# Altium PCB pqm_v2.PcbDoc (part 1 of 3) (continued)
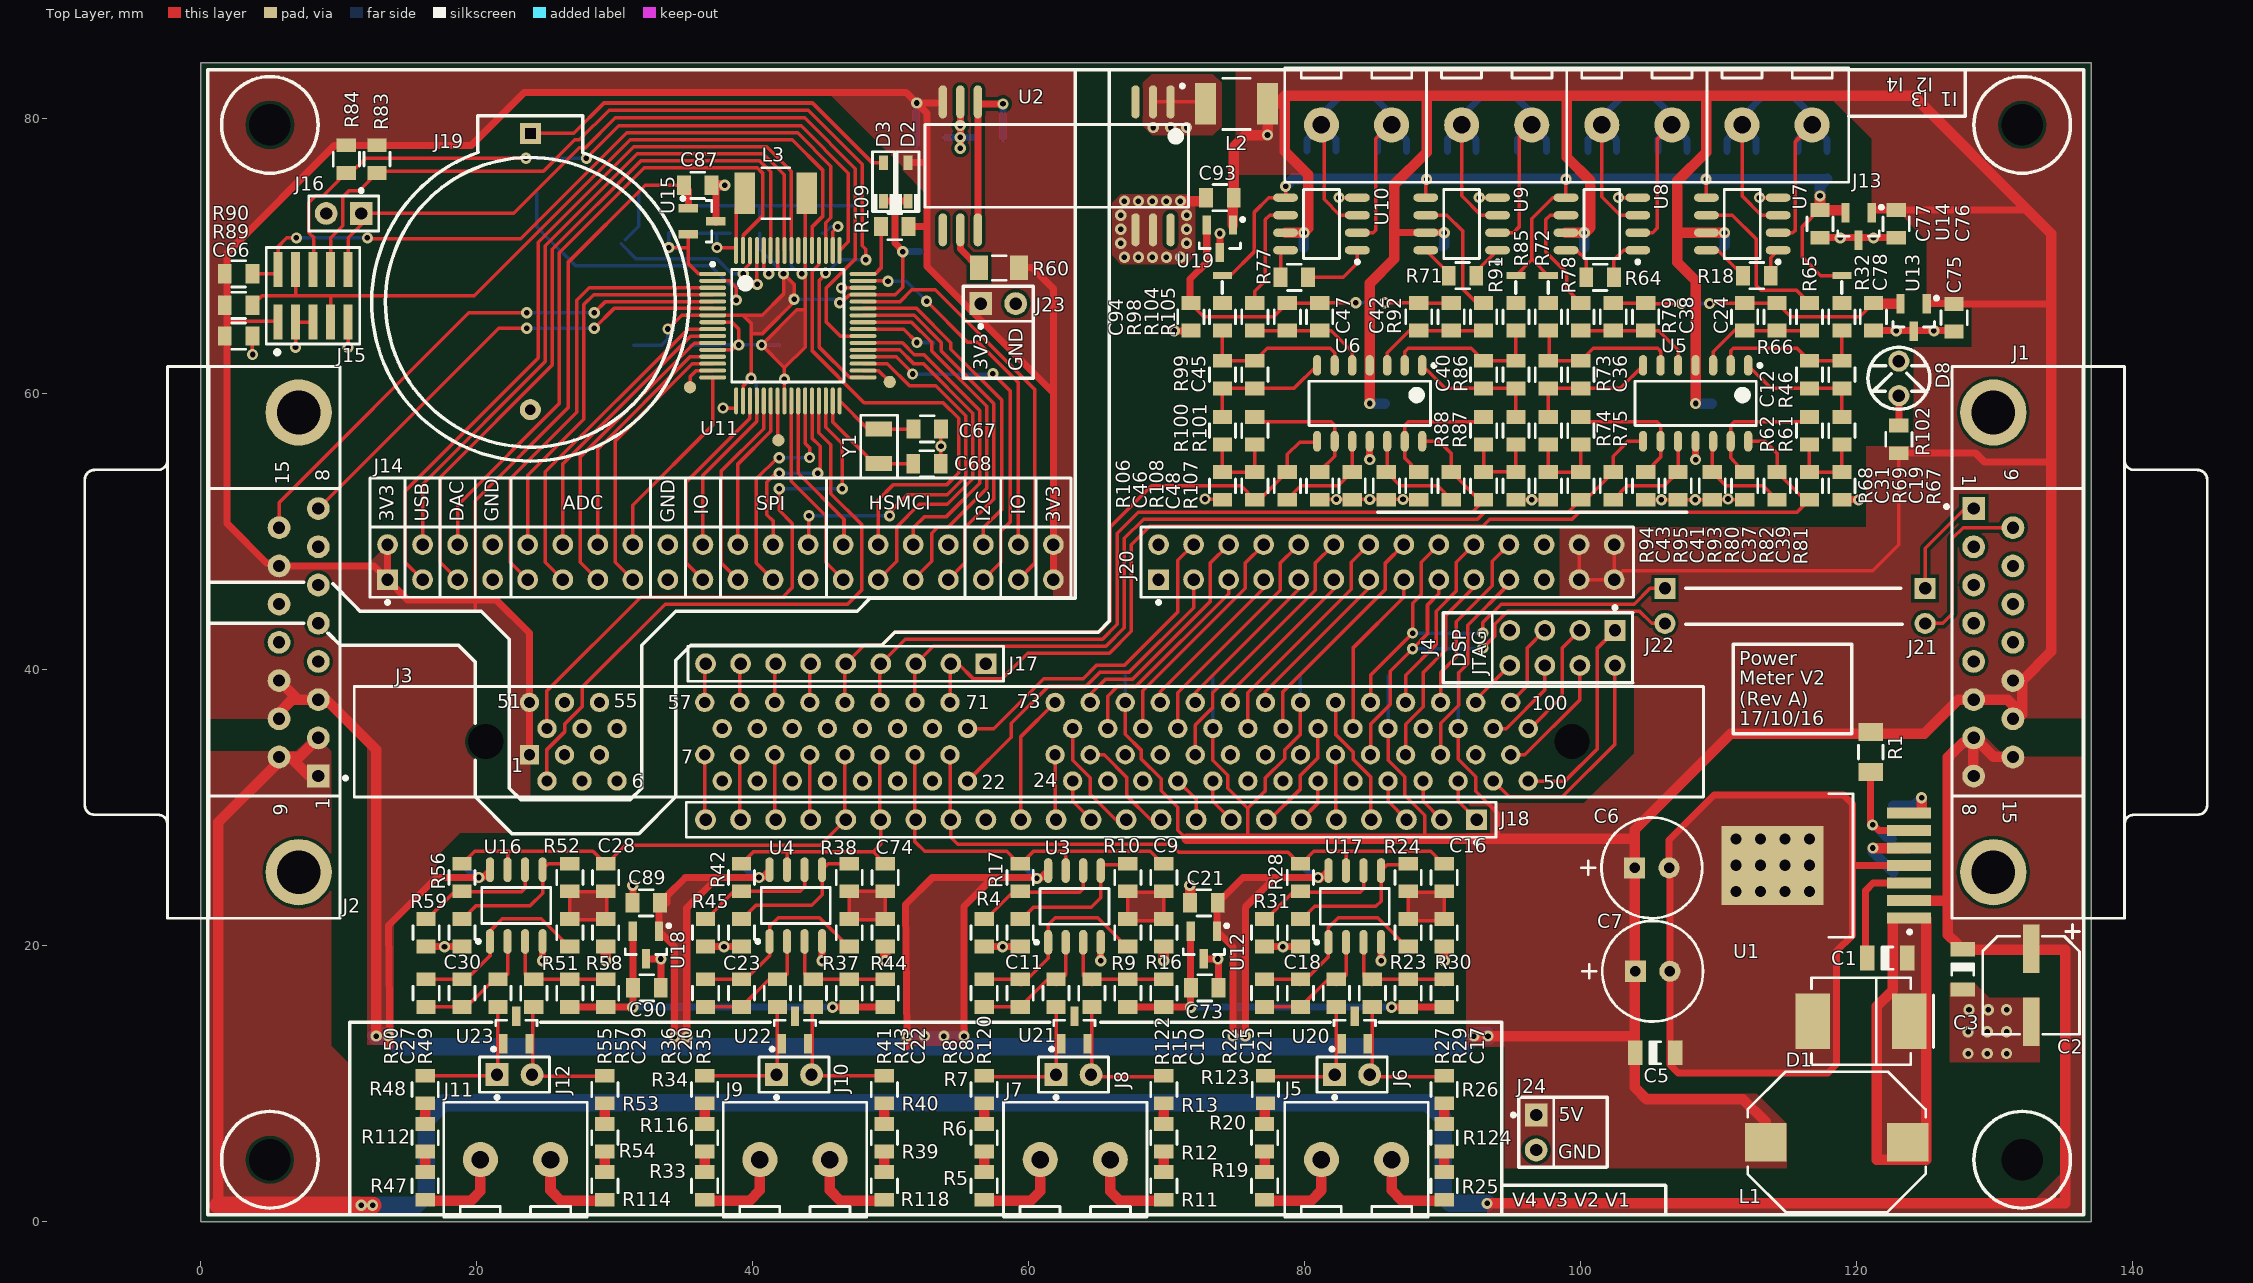
[diagram p0: Top Layer view]
## Components (designator, comment, footprint, x,y, rotation, side; value= is the part's Value field where it differs from the comment) (continued)
R17 "RES_RC0805FR-0710KL_YAGEO" RESC2013X065BN 59.372,24.956 r270 top
R18 "RES_RC0805FR-0749K9L_YAGEO" RESC2013X065BN 112.776,68.58 r0 top
R19 "RES_RC0805FR-07412KL_YAGEO" RESC2013X065BN 77.089,2.603 r270 top
R20 "RES_RC0805FR-07412KL_YAGEO" RESC2013X065BN 77.089,6.096 r270 top
R21 "RES_RC0805FR-0715K8L_YAGEO" RESC2013X065BN 82.296,16.573 r270 top
R22 "RES_RC0805FR-074K7L_YAGEO" RESC2013X065BN 77.089,16.573 r270 top
R23 "RES_RC0805FR-079K31L_YAGEO" RESC2013X065BN 87.503,20.955 r270 top
R24 "RES_RC0805FR-074K7L_YAGEO" RESC2013X065BN 87.503,24.956 r270 top
R25 "RES_RC0805FR-07412KL_YAGEO" RESC2013X065BN 90.106,2.603 r270 top
R26 "RES_RC0805FR-07412KL_YAGEO" RESC2013X065BN 90.106,9.588 r270 top
R27 "RES_RC0805FR-0715K8L_YAGEO" RESC2013X065BN 84.9,16.573 r270 top
R28 "RES_RC0805FR-0710KL_YAGEO" RESC2013X065BN 79.692,24.956 r270 top
R29 "RES_RC0805FR-074K7L_YAGEO" RESC2013X065BN 87.503,16.573 r270 top
R30 "RES_RC0805FR-079K31L_YAGEO" RESC2013X065BN 90.106,20.955 r270 top
R31 "RES_RC0805FR-0710KL_YAGEO" RESC2013X065BN 77.089,20.955 r270 top
R32 "RES_RC0805FR-073K16L_YAGEO" RESC2013X065BN 118.936,65.596 r90 top
R33 "RES_RC0805FR-07412KL_YAGEO" RESC2013X065BN 36.513,2.603 r270 top
R34 "RES_RC0805FR-07412KL_YAGEO" RESC2013X065BN 36.513,9.588 r270 top
R35 "RES_RC0805FR-0715K8L_YAGEO" RESC2013X065BN 41.783,16.573 r270 top
R36 "RES_RC0805FR-074K7L_YAGEO" RESC2013X065BN 36.576,16.573 r270 top
R37 "RES_RC0805FR-079K31L_YAGEO" RESC2013X065BN 46.99,20.955 r270 top
R38 "RES_RC0805FR-074K7L_YAGEO" RESC2013X065BN 46.99,24.956 r270 top
R39 "RES_RC0805FR-07412KL_YAGEO" RESC2013X065BN 49.53,6.096 r270 top
R40 "RES_RC0805FR-07412KL_YAGEO" RESC2013X065BN 49.53,9.588 r270 top
R41 "RES_RC0805FR-0715K8L_YAGEO" RESC2013X065BN 44.386,16.573 r270 top
R42 "RES_RC0805FR-0710KL_YAGEO" RESC2013X065BN 39.179,24.956 r270 top
R43 "RES_RC0805FR-074K7L_YAGEO" RESC2013X065BN 46.99,16.573 r270 top
R44 "RES_RC0805FR-079K31L_YAGEO" RESC2013X065BN 49.593,20.955 r270 top
R45 "RES_RC0805FR-0710KL_YAGEO" RESC2013X065BN 36.576,20.955 r270 top
R46 "RES_RC0805FR-074K7L_YAGEO" RESC2013X065BN 118.935,61.404 r90 top
R47 "RES_RC0805FR-07412KL_YAGEO" RESC2013X065BN 16.256,2.603 r270 top
R48 "RES_RC0805FR-07412KL_YAGEO" RESC2013X065BN 16.256,9.588 r270 top
R49 "RES_RC0805FR-0715K8L_YAGEO" RESC2013X065BN 21.526,16.573 r270 top
R50 "RES_RC0805FR-074K7L_YAGEO" RESC2013X065BN 16.319,16.573 r270 top
R51 "RES_RC0805FR-079K31L_YAGEO" RESC2013X065BN 26.733,20.955 r90 top
R52 "RES_RC0805FR-074K7L_YAGEO" RESC2013X065BN 26.733,24.956 r270 top
R53 "RES_RC0805FR-07412KL_YAGEO" RESC2013X065BN 29.273,6.096 r270 top
R54 "RES_RC0805FR-07412KL_YAGEO" RESC2013X065BN 29.273,9.588 r270 top
R55 "RES_RC0805FR-0715K8L_YAGEO" RESC2013X065BN 24.13,16.573 r270 top
R56 "RES_RC0805FR-0710KL_YAGEO" RESC2013X065BN 18.923,24.956 r270 top
R57 "RES_RC0805FR-074K7L_YAGEO" RESC2013X065BN 26.733,16.573 r270 top
R58 "RES_RC0805FR-079K31L_YAGEO" RESC2013X065BN 29.337,20.955 r90 top
R59 "RES_RC0805FR-0710KL_YAGEO" RESC2013X065BN 16.319,20.955 r270 top
R60 "RES_RC1206FR-0710KL_Yageo" RESC3216N 57.848,69.151 r0 top
R61 "RES_RC0805FR-079K31L_YAGEO" RESC2013X065BN 118.935,57.34 r90 top
R62 "RES_RC0805FR-074K7L_YAGEO" RESC2013X065BN 116.586,57.34 r270 top
R63 "RES_RC0805FR-071RL_YAGEO" RESC2013X065BN 104.14,81.788 r0 bottom
R64 "RES_RC0805FR-0749K9L_YAGEO" RESC2013X065BN 101.409,68.453 r0 top
R65 "RES_RC0805FR-073K16L_YAGEO" RESC2013X065BN 116.586,65.596 r90 top
R66 "RES_RC0805FR-074K7L_YAGEO" RESC2013X065BN 114.237,65.596 r90 top
R67 "RES_RC0805FR-079K31L_YAGEO" RESC2013X065BN 118.935,53.34 r90 top
R68 "RES_RC0805FR-0710KL_YAGEO" RESC2013X065BN 109.537,53.34 r270 top
R69 "RES_RC0805FR-0710KL_YAGEO" RESC2013X065BN 114.236,53.34 r270 top
R70 "RES_RC0805FR-071RL_YAGEO" RESC2013X065BN 94.043,81.788 r0 bottom
R71 "RES_RC0805FR-0749K9L_YAGEO" RESC2013X065BN 91.44,68.58 r0 top
R72 "RES_RC0805FR-073K16L_YAGEO" RESC2013X065BN 97.663,65.596 r90 top
R73 "RES_RC0805FR-074K7L_YAGEO" RESC2013X065BN 97.663,61.404 r90 top
R74 "RES_RC0805FR-079K31L_YAGEO" RESC2013X065BN 97.663,57.34 r90 top
R75 "RES_RC0805FR-074K7L_YAGEO" RESC2013X065BN 100.013,57.34 r270 top
R76 "RES_RC0805FR-071RL_YAGEO" RESC2013X065BN 83.757,81.788 r0 bottom
R77 "RES_RC0805FR-0749K9L_YAGEO" RESC2013X065BN 79.248,68.453 r0 top
R78 "RES_RC0805FR-073K16L_YAGEO" RESC2013X065BN 100.013,65.596 r90 top
R79 "RES_RC0805FR-074K7L_YAGEO" RESC2013X065BN 102.362,65.596 r90 top
R80 "RES_RC0805FR-079K31L_YAGEO" RESC2013X065BN 97.663,53.34 r90 top
R81 "RES_RC0805FR-0710KL_YAGEO" RESC2013X065BN 107.061,53.34 r270 top
R82 "RES_RC0805FR-0710KL_YAGEO" RESC2013X065BN 102.362,53.34 r270 top
R83 "RES_AC0805JR-07100KL_YAGEO" RESC2013X065BN 12.763,77.025 r90 top
R84 "RES_AC0805JR-07100KL_YAGEO" RESC2013X065BN 10.541,77.025 r90 top
R85 "RES_RC0805FR-073K16L_YAGEO" RESC2013X065BN 95.313,65.596 r90 top
R86 "RES_RC0805FR-074K7L_YAGEO" RESC2013X065BN 95.313,61.404 r90 top
R87 "RES_RC0805FR-079K31L_YAGEO" RESC2013X065BN 95.313,57.34 r90 top
R88 "RES_RC0805FR-074K7L_YAGEO" RESC2013X065BN 92.964,57.34 r270 top
R89 "RES_AC0805JR-07100KL_YAGEO" RESC2013X065BN 2.73,66.421 r180 top
R90 "RES_AC0805JR-07100KL_YAGEO" RESC2013X065BN 2.73,68.707 r180 top
R91 "RES_RC0805FR-073K16L_YAGEO" RESC2013X065BN 92.964,65.596 r90 top
R92 "RES_RC0805FR-074K7L_YAGEO" RESC2013X065BN 90.614,65.596 r90 top
R93 "RES_RC0805FR-079K31L_YAGEO" RESC2013X065BN 95.313,53.34 r90 top
R94 "RES_RC0805FR-0710KL_YAGEO" RESC2013X065BN 85.916,53.34 r270 top
R95 "RES_RC0805FR-0710KL_YAGEO" RESC2013X065BN 90.615,53.34 r270 top
R96 "RES_RC0805JR-0710KL_YAGEO" RESC2013X065BN 45.022,72.637 r270 bottom
R97 "RES_RC0805JR-0710KL_YAGEO" RESC2013X065BN 53.911,63.691 r180 bottom
R98 "RES_RC0805FR-073K16L_YAGEO" RESC2013X065BN 74.041,65.596 r90 top
R99 "RES_RC0805FR-074K7L_YAGEO" RESC2013X065BN 74.041,61.404 r90 top
R100 "RES_RC0805FR-079K31L_YAGEO" RESC2013X065BN 74.041,57.34 r90 top
R101 "RES_RC0805FR-074K7L_YAGEO" RESC2013X065BN 76.391,57.34 r270 top
R102 "RES_RC0805JR-07330RL_YAGEO" RESC2013X065BN 123.063,56.706 r270 top
R103 "RES_RC0805FR-07510KL_YAGEO" RESC2013X065BN 112.712,76.581 r270 bottom
R104 "RES_RC0805FR-073K16L_YAGEO" RESC2013X065BN 76.391,65.596 r90 top
R105 "RES_RC0805FR-074K7L_YAGEO" RESC2013X065BN 78.74,65.596 r90 top
R106 "RES_RC0805FR-079K31L_YAGEO" RESC2013X065BN 74.041,53.34 r90 top
R107 "RES_RC0805FR-0710KL_YAGEO" RESC2013X065BN 83.439,53.34 r270 top
R108 "RES_RC0805FR-0710KL_YAGEO" RESC2013X065BN 78.74,53.34 r270 top
R109 "RES_AC0805JR-07100KL_YAGEO" RESC2013X065BN 50.292,72.136 r0 top
R110 "RES_RC0805FR-071RL_YAGEO" RESC2013X065BN 114.236,81.788 r0 bottom
R111 "RES_RC0805FR-07510KL_YAGEO" RESC2013X065BN 107.696,76.581 r90 bottom
R112 "RES_RC0805FR-07412KL_YAGEO" RESC2013X065BN 16.256,6.096 r270 top
R113 "RES_RC0805FR-07510KL_YAGEO" RESC2013X065BN 102.616,76.581 r270 bottom
R114 "RES_RC0805FR-07412KL_YAGEO" RESC2013X065BN 29.273,2.603 r270 top
R115 "RES_RC0805FR-07510KL_YAGEO" RESC2013X065BN 97.536,76.581 r90 bottom
R116 "RES_RC0805FR-07412KL_YAGEO" RESC2013X065BN 36.513,6.096 r270 top
R117 "RES_RC0805FR-07510KL_YAGEO" RESC2013X065BN 92.432,76.581 r270 bottom
R118 "RES_RC0805FR-07412KL_YAGEO" RESC2013X065BN 49.53,2.603 r270 top
R119 "RES_RC0805FR-07510KL_YAGEO" RESC2013X065BN 87.376,76.581 r90 bottom
R120 "RES_RC0805FR-0715K8L_YAGEO" RESC2013X065BN 61.976,16.573 r270 top
R121 "RES_RC0805FR-07510KL_YAGEO" RESC2013X065BN 82.256,76.598 r270 bottom
R122 "RES_RC0805FR-0715K8L_YAGEO" RESC2013X065BN 64.579,16.573 r270 top
R123 "RES_RC0805FR-07412KL_YAGEO" RESC2013X065BN 77.153,9.588 r270 top
R124 "RES_RC0805FR-07412KL_YAGEO" RESC2013X065BN 90.106,6.096 r270 top
U1 "IC_LM22673TJ-ADJ" TJ7A_N 117.792,25.822 r180 top
U2 "IC_DCR010503U_TI" SOP28 62.023,76.724 r270 top
U3 "IC_TLV2472_ANALOG" SOIC127P600-8BN 63.309,22.86 r90 top
U4 "IC_TLV2472_ANALOG" SOIC127P600-8BN 43.116,22.924 r90 top
U5 "IC_TLV2474_ANALOG" SOIC127P600-14AN 108.331,59.322 r270 top
U6 "IC_TLV2474_ANALOG" SOIC127P600-14AN 84.709,59.322 r270 top
U7 "IC_INA121U" SOIC127P600-8BN 111.714,72.326 r180 top
U8 "IC_INA121U" SOIC127P600-8BN 101.536,72.326 r180 top
U9 "IC_INA121U" SOIC127P600-8BN 91.376,72.326 r180 top
U10 "IC_INA121U" SOIC127P600-8BN 81.216,72.326 r180 top
U11 "IC_ATSAM4S8BA-AU_ATMEL" TQFP50P1000X1000X160-64N 42.541,64.95 r0 top
U12 "ISL21010_1V5" SOT23-3M 72.692,20.066 r270 top
U13 "ISL21010_1V5" SOT23-3M 124.14,65.548 r270 top
U14 "ISL21010_2V5" SOT23-3M 120.142,72.136 r270 top
U15 "ISL21010_3V0" SOT23-3M 36.322,72.517 r0 top
U16 "IC_TLV2472_ANALOG" SOIC127P600-8BN 22.86,22.924 r90 top
U17 "IC_TLV2472_ANALOG" SOIC127P600-8BN 83.629,22.86 r90 top
U18 "ISL21010_1V5" SOT23-3M 32.258,20.066 r270 top
U19 "ISL21010_1V5" SOT23-3M 73.85,71.247 r270 top
U20 "IC_IAZ23C5V6-E3-18_VISHAY" SOT23-3M 83.629,13.906 r90 top
U21 "IC_IAZ23C5V6-E3-18_VISHAY" SOT23-3M 63.309,13.906 r90 top
U22 "IC_IAZ23C5V6-E3-18_VISHAY" SOT23-3M 43.053,13.906 r90 top
U23 "IC_IAZ23C5V6-E3-18_VISHAY" SOT23-3M 22.86,13.906 r90 top
Y1 "MSC_ECS-.327-12.5-34S-TR_ECS" XTAL3215X090N 49.129,56.21 r270 top
Y2 "MSC_ECS-120-20-3X-TR_ECS" CSM-3X 28.003,71.183 r0 bottom

## Footprints (in the part's own frame and the unit in brackets; to place one, negate y for a bottom-side part, rotate by r counter-clockwise, add the part's x,y. Pads: shape width x height; smd on the part's side, far side on the other; paste and mask are expansions set on the pad)
788757-1 [mil] "Connector; D Subminiature AMPLIMITE 2000; 15 Position; Right Angle"
  rect 65x65 hole 35: 1(-381.69,-429.92)
  round 65 hole 35: 2(-272.64,-429.92) 3(-163.58,-429.92) 4(-54.53,-429.92) 5(54.53,-429.92) 6(163.58,-429.92) 7(272.64,-429.92) 8(381.69,-429.92) 9(-327.16,-318.11) 10(-218.11,-318.11) 11(-109.06,-318.11) 12(0,-318.11) 13(109.06,-318.11) 14(218.11,-318.11) 15(327.17,-318.11)
  round 188.98 hole 125.2: 16(-655.91,-374.02) 17(655.91,-374.02)
  silkscreen extent -787,-512 787,236
BORNERAX8 [mm]
  round 2.54 hole 1.27: 1(0,0) 2(5.08,0) 3(10.16,0) 4(15.24,0) 5(20.32,0) 6(25.4,0) 7(30.48,0) 8(35.56,0)
  silkscreen extent -2.66,-4.15 38.22,4.15, body extent -3.11,-4.05 38.1,4.05, height 10
CAPAE630770X770N [mm] "SMD Aluminum Electrolytic Capacitor; Body: 6.3x7.7 mm (DxL) // Source: UD series, Nichicon"
  rect 3.5x1.2 smd: 1(2.65,0) 2(-2.65,0)
  silkscreen extent -3.55,-3.5 4.4,3.5, body extent -3.65,-3.3 3.65,3.3, height 7.7
CAPC2013X110N [mm] "Chip Capacitor, 0805, Body 2.0x1.3mm, IPC Medium Density"
  rect 1x1.4 smd: 1(-1,0) 2(1,0)
  silkscreen extent -0.5,-0.95 0.5,0.95, body extent -1,-0.62 1,0.63, height 0.6
CAPC3216X135N_B [mm] "Chip Capacitor, 1206, UL840 2mm, Body 3.2x1.6mm, IPC Medium Density"
  rect 1.05x1.8 smd: 1(-1.45,0) 2(1.45,0)
  silkscreen extent -0.4,-0.8 0.4,0.8, body extent -1.6,-0.8 1.6,0.8, height 0.79
CAPPRD250W50D630H1250 [mil] "Capacitor, Polarized Radial Diameter, 2.5 Lead Spacing, 0.5 Lead Width, 6.3 Diameter, 12.5 Height"
  rect 60x60 hole 30: 1(0,-49.21)
  round 60 hole 30: 2(0,49.21)
  silkscreen extent -144,-201 144,144, body extent -125,-125 125,125, height 513
CON_BAT_2032 [mil]
  rect 60x60 hole 30 square: 1(481.2,0)
  round 60 hole 30: 2(-306.2,0)
  silkscreen extent -453,-453 532,453, body extent -450,-433 514,433, height 335
CSM-3X [mm] "Quartz Crystal, SM; Body 7.00 mm x 4.10 mm x 2.30 mm"
  rect 3.5x1.2 smd: 1(-2.75,0) 2(2.75,0)
  silkscreen extent -4.25,-2.22 4.13,2.29, body extent -3.8,-2.03 3.8,2.07, height 2.3
DIMM1.27-2V100 [mm] "Connector; DIMM II; 100 Position; Vertical"
  rect 1.4x1.4 hole 0.81: 1(-36.195,-0.95)
  round 1.4 hole 0.81: 2(-34.925,-2.85) 3(-33.655,-0.95) 4(-32.385,-2.85) 5(-31.115,-0.95) 6(-29.845,-2.85) 7(-23.495,-0.95) 8(-22.225,-2.85) 9(-20.955,-0.95) 10(-19.685,-2.85) 11(-18.415,-0.95) 12(-17.145,-2.85) 13(-15.875,-0.95) 14(-14.605,-2.85) 15(-13.335,-0.95) 16(-12.065,-2.85) 17(-10.795,-0.95) 18(-9.525,-2.85) 19(-8.255,-0.95) 20(-6.985,-2.85) 21(-5.715,-0.95) 22(-4.445,-2.85) 23(1.905,-0.95) 24(3.175,-2.85) 25(4.445,-0.95) 26(5.715,-2.85) 27(6.985,-0.95) 28(8.255,-2.85) 29(9.525,-0.95) 30(10.795,-2.85) 31(12.065,-0.95) 32(13.335,-2.85) 33(14.605,-0.95) 34(15.875,-2.85) 35(17.145,-0.95) 36(18.415,-2.85) 37(19.685,-0.95) 38(20.955,-2.85) 39(22.225,-0.95) 40(23.495,-2.85) 41(24.765,-0.95) 42(26.035,-2.85) 43(27.305,-0.95) 44(28.575,-2.85) 45(29.845,-0.95) 46(31.115,-2.85) 47(32.385,-0.95) 48(33.655,-2.85) 49(34.925,-0.95) 50(36.195,-2.85) 51(-36.195,2.85) 52(-34.925,0.95) 53(-33.655,2.85) 54(-32.385,0.95) 55(-31.115,2.85) 56(-29.845,0.95) 57(-23.495,2.85) 58(-22.225,0.95) 59(-20.955,2.85) 60(-19.685,0.95) 61(-18.415,2.85) 62(-17.145,0.95) 63(-15.875,2.85) 64(-14.605,0.95) 65(-13.335,2.85) 66(-12.065,0.95) 67(-10.795,2.85) 68(-9.525,0.95) 69(-8.255,2.85) 70(-6.985,0.95) 71(-5.715,2.85) 72(-4.445,0.95) 73(1.905,2.85) 74(3.175,0.95) 75(4.445,2.85) 76(5.715,0.95) 77(6.985,2.85) 78(8.255,0.95) 79(9.525,2.85) 80(10.795,0.95) 81(12.065,2.85) 82(13.335,0.95) 83(14.605,2.85) 84(15.875,0.95) 85(17.145,2.85) 86(18.415,0.95) 87(19.685,2.85) 88(20.955,0.95) 89(22.225,2.85) 90(23.495,0.95) 91(24.765,2.85) 92(26.035,0.95) 93(27.305,2.85) 94(28.575,0.95) 95(29.845,2.85) 96(31.115,0.95) 97(32.385,2.85) 98(33.655,0.95) 99(34.925,2.85) 100(36.195,0.95)
  round 0 hole 2.54: 101(-39.365,0) 102(39.365,0)
  silkscreen extent -48.9,-4 48.9,4, body extent -48.9,-4 48.9,4, height 23.82
DIOM7959X262N [mm] "Molded Diode, JEDEC DO-214AB (SMC), 7.9mmX5.9mm"
  rect 2.5x4 smd: 1(-3.5,0) 2(3.5,0)
  silkscreen extent -5.25,-3.15 3.6,3.15, body extent -3.98,-2.95 3.97,2.95, height 2.3
FCI_20021121-00010C4LF [mm] "CONNECTOR, MICRO TERMINAL STRIP, 10POS, 2ROW, 1.27MM"
  rect 2.54x0.635 smd: 1(-1.905,2.54) 2(1.905,2.54) 3(-1.905,1.27) 4(1.905,1.27) 5(-1.905,0) 6(1.905,0) 7(-1.905,-1.27) 8(1.905,-1.27) 9(-1.905,-2.54) 10(1.905,-2.54)
  silkscreen extent -4.15,-3.38 3.5,3.38, body extent -2.75,-3.18 2.75,3.17, height 4.48
HDR2X4 [mm]
  rect 1.5x1.5 hole 0.9: 1(0,0)
  round 1.5 hole 0.9: 2(0,2.54) 3(2.54,0) 4(2.54,2.54) 5(5.08,0) 6(5.08,2.54) 7(7.62,0) 8(7.62,2.54)
  silkscreen extent -1.27,-1.78 8.89,3.81, body extent -1.27,-1.27 8.89,3.81, height 9.27
HDRX9 [mm]
  rect 1.5x1.5 hole 0.9: 1(0,0)
  round 1.5 hole 0.9: 2(2.54,0) 3(5.08,0) 4(7.62,0) 5(10.16,0) 6(12.7,0) 7(15.24,0) 8(17.78,0) 9(20.32,0)
  silkscreen extent -1.27,-1.27 21.59,1.27
HEADER_DSP_1 [mm]
  rect 1.5x1.5 hole 0.9: 1(0,0)
  oval 1.51x1.5 hole 0.9: 2(2.54,0) 4(7.62,0) 6(12.7,0) 8(17.78,0) 10(22.86,0) 12(27.94,0) 14(33.02,0) 16(38.1,0) 18(43.18,0) 20(48.26,0) 22(53.34,0) 23(55.88,0)
  round 1.5 hole 0.9: 3(5.08,0) 5(10.16,0) 7(15.24,0) 9(20.32,0) 11(25.4,0) 13(30.48,0) 15(35.56,0) 17(40.64,0) 19(45.72,0) 21(50.8,0)
  silkscreen extent -1.4,-1.27 57.28,1.78
HEADERX30 [mm]
  rect 1.5x1.5 hole 0.9: 1(-17.78,-2.54)
  round 1.5 hole 0.9: 2(-17.78,0) 3(-15.24,-2.54) 4(-15.24,0) 5(-12.7,-2.54) 6(-12.7,0) 7(-10.16,-2.54) 8(-10.16,0) 9(-7.62,-2.54) 10(-7.62,0) 11(-5.08,-2.54) 12(-5.08,0) 13(-2.54,-2.54) 14(-2.54,0) 15(0,-2.54) 16(0,0) 17(2.54,-2.54) 18(2.54,0) 19(5.08,-2.54) 20(5.08,0) 21(7.62,-2.54) 22(7.62,0) 23(10.16,-2.54) 24(10.16,0) 25(12.7,-2.54) 26(12.7,0) 27(15.24,-2.54) 28(15.24,0)
  silkscreen extent -19.05,-4.32 16.64,1.27
HEADERX70 [mm]
  rect 1.5x1.5 hole 0.9: 1(-43.18,-1.27)
  round 1.5 hole 0.9: 2(-43.18,1.27) 3(-40.64,-1.27) 4(-40.64,1.27) 5(-38.1,-1.27) 6(-38.1,1.27) 7(-35.56,-1.27) 8(-35.56,1.27) 9(-33.02,-1.27) 10(-33.02,1.27) 11(-30.48,-1.27) 12(-30.48,1.27) 13(-27.94,-1.27) 14(-27.94,1.27) 15(-25.4,-1.27) 16(-25.4,1.27) 17(-22.86,-1.27) 18(-22.86,1.27) 19(-20.32,-1.27) 20(-20.32,1.27) 21(-17.78,-1.27) 22(-17.78,1.27) 23(-15.24,-1.27) 24(-15.24,1.27) 25(-12.7,-1.27) 26(-12.7,1.27) 27(-10.16,-1.27) 28(-10.16,1.27) 29(-7.62,-1.27) 30(-7.62,1.27) 31(-5.08,-1.27) 32(-5.08,1.27) 33(-2.54,-1.27) 34(-2.54,1.27) 35(0,-1.27) 36(0,1.27) 37(2.54,-1.27) 38(2.54,1.27) 39(5.08,-1.27) 40(5.08,1.27)
  silkscreen extent -44.45,-3.05 6.35,6.1
INDC4532X170N [mm] "Chip Inductor, Body 4.5x3.2mm, IPC Medium Density"
  rect 1.5x3 smd: 1(-2.25,0) 2(2.25,0)
  silkscreen extent -1,-1.85 1,1.85, body extent -2.25,-1.6 2.25,1.6
LED [mil]
  round 60 hole 35: 1(0,0) 2(98.43,0)
  silkscreen extent -39,-89 138,89, body extent -16,-65 114,65, height 237
MAG_INDUCTOR2A [mm] "Precision Wire Wound Inductor, 2-Leads, Body 12,7x10,0mm, IPC Medium Density"
  rect 3x2.8 smd: 1(-5.15,0) 2(5.15,0)
  silkscreen extent -6.45,-5.1 6.45,5.1, body extent -6.48,-5 6.22,5, height 5.2
PHOENIX_1729128 [mm] "Terminal Block 5.08mm pitch, vertical, 2 positions pcb mounting, Phoenix Contact"
  round 2.54 hole 1.27: 1(-2.54,0) 2(2.54,0)
  silkscreen extent -5.2,-4.15 5.2,4.15, body extent -5.65,-4.05 5.08,4.05, height 10
RAD2 [mil] "Radial Cap, Thru-Hole; 2 Leads; 0.1 in Pin Spacing"
  rect 65x65 hole 35: 1(-50,0)
  round 65 hole 35: 2(50,0)
  silkscreen extent -100,-70 100,50, body extent -97,-51 103,47, height 330
RAD2B [mil] "Radial Cap, Thru-Hole; 2 Leads; 0.1 in Pin Spacing"
  rect 60x60 hole 35: 1(-50,0)
  round 60 hole 35: 2(50,0)
RESC2013X065BN [mm] "Chip Resistor, 0805, Body 2.0x1.3mm, Pads modified for 1mm spacing."
  rect 1x1.4 smd: 1(-1,0) 2(1,0)
  silkscreen extent -0.5,-0.95 0.5,0.95, body extent -1,-0.62 1,0.63, height 0.45
RESC3216N [mm] "Chip Resistor, Body 3.2x1.6mm, IPC Medium Density"
  rect 1.3x1.8 smd: 1(-1.45,0) 2(1.45,0)
  silkscreen extent -0.5,-0.9 0.5,0.87, body extent -1.6,-0.8 1.6,0.8, height 0.55
SOD2512X097N [mm] "SOD-323, 2 Lead, Conforming to JEITA SC90 standard // Source: SOD-323 Package 2008, Fairchild"
  rect 1.05x0.65 smd: 1(-1.4,0) 2(1.4,0)
  silkscreen extent -2.15,-0.8 2.18,0.8, body extent -1.3,-0.67 1.3,0.68, height 1.1
SOIC127P600-8BN [mm] "SOIC, 8-Leads, Body 4.9x3.9mm, Pitch 1.27mm, IPC Medium Density"
  oval 1.8x0.6 smd: 1(-2.6,1.905) 2(-2.6,0.635) 3(-2.6,-0.635) 4(-2.6,-1.905) 5(2.6,-1.905) 6(2.6,-0.635) 7(2.6,0.635) 8(2.6,1.905)
  silkscreen extent -2.72,-2.5 1.3,2.88, body extent -3,-2.45 3,2.45, height 1.75
SOIC127P600-14AN [mm] "SOIC, 14-Leads, Body 8.6x3.9mm, Pitch 1.27mm, IPC Medium Density"
  oval 1.5x0.6 smd: 1(-2.75,3.81) 2(-2.75,2.54) 3(-2.75,1.27) 4(-2.75,0) 5(-2.75,-1.27) 6(-2.75,-2.54) 7(-2.75,-3.81) 8(2.75,-3.81) 9(2.75,-2.54) 10(2.75,-1.27) 11(2.75,0) 12(2.75,1.27) 13(2.75,2.54) 14(2.75,3.81)
  silkscreen extent -2.87,-4.4 1.6,4.79, body extent -3,-4.37 3,4.38, height 1.75
SOP28 [mm] "28-Pin Plastic Battery Snaphat Small Outline Package 1.27 mm Pitch"
  oval 2.4x0.6 smd: 1(-4.445,8.255) 2(-4.445,6.985) 3(-4.445,5.715) 12(-4.445,-5.715) 13(-4.445,-6.985) 14(-4.445,-8.255) 15(4.826,-8.255) 16(4.826,-6.985) 17(4.826,-5.715) 26(4.826,5.715) 27(4.826,6.985) 28(4.826,8.255)
  silkscreen extent -5.72,-9.55 3.19,9.55
SOT23-3M [mm] "SOT23, 3-Leads, Body 2.9x1.3mm, Pitch 0.95mm, Lead Span 2.5mm, IPC Low Density"
  rect 1.397x0.6 smd: 1(-1,0.95) 2(-1,-0.95) 3(1,0)
  silkscreen extent -1.52,-1.5 0.7,1.78, body extent -1.25,-1.5 1.25,1.5, height 1.06
TJ7A_N [mm] "D2-PAK, 8-Leads, Body 9.9x10.2mm, Pitch 1.27mm, Lead Span 14mm, IPC Medium Density"
  rect 3.2x0.8 smd: 1(-6,3.81) 2(-6,2.54) 3(-6,1.27) 4(-6,0) 5(-6,-1.27) 6(-6,-2.54) 7(-6,-3.81)
  rect 7.4x5.75 smd: 8(3.9,0)
  silkscreen extent -6.18,-5.2 -0.2,5.2, body extent -1.95,-5.2 8.15,5.2, height 2.1
TQFP50P1000X1000X160-64N [mm] "TQFP, 64-Leads, Body 10,00x10,00mm, Pitch 0,50mm, IPC Medium Density"
  oval 1.95x0.3 smd: 1(-5.45,3.75) 2(-5.45,3.25) 3(-5.45,2.75) 4(-5.45,2.25) 5(-5.45,1.75) 6(-5.45,1.25) 7(-5.45,0.75) 8(-5.45,0.25) 9(-5.45,-0.25) 10(-5.45,-0.75) 11(-5.45,-1.25) 12(-5.45,-1.75) 13(-5.45,-2.25) 14(-5.45,-2.75) 15(-5.45,-3.25) 16(-5.45,-3.75) 33(5.45,-3.75) 34(5.45,-3.25) 35(5.45,-2.75) 36(5.45,-2.25) 37(5.45,-1.75) 38(5.45,-1.25) 39(5.45,-0.75) 40(5.45,-0.25) 41(5.45,0.25) 42(5.45,0.75) 43(5.45,1.25) 44(5.45,1.75) 45(5.45,2.25) 46(5.45,2.75) 47(5.45,3.25) 48(5.45,3.75)
  oval 0.3x1.95 smd: 17(-3.75,-5.45) 18(-3.25,-5.45) 19(-2.75,-5.45) 20(-2.25,-5.45) 21(-1.75,-5.45) 22(-1.25,-5.45) 23(-0.75,-5.45) 24(-0.25,-5.45) 25(0.25,-5.45) 26(0.75,-5.45) 27(1.25,-5.45) 28(1.75,-5.45) 29(2.25,-5.45) 30(2.75,-5.45) 31(3.25,-5.45) 32(3.75,-5.45) 49(3.75,5.45) 50(3.25,5.45) 51(2.75,5.45) 52(2.25,5.45) 53(1.75,5.45) 54(1.25,5.45) 55(0.75,5.45) 56(0.25,5.45) 57(-0.25,5.45) 58(-0.75,5.45) 59(-1.25,5.45) 60(-1.75,5.45) 61(-2.25,5.45) 62(-2.75,5.45) 63(-3.25,5.45) 64(-3.75,5.45)
  silkscreen extent -5.57,-4.08 4.08,4.57, body extent -5.79,-5.79 5.79,5.79, height 1
XTAL3215X090N [mm] "Crystal, Body: 3.2mmm X 1.5mm"
  rect 1.1x1.9 smd: 1(-1.25,0) 2(1.25,0)
  silkscreen extent -2.25,-1.3 2.3,1.35, body extent -1.6,-0.75 1.6,0.75, height 0.9

## Part data
C1: "10000pF, 630 V, Capacitores cerámicos, X7R, 1206 (3216 métrico), 0.126\" L x 0.063\" A (3.20 mm x 1.60 mm)"
C2: "47µF 50V Aluminum Capacitors Radial, Can - SMD 2000 Hrs @ 85°C"
C3 C4 C7 C26 C32: "1 µF, 25 V, Capacitores cerámicos, X7R, 1206 (3216 métrico), 0.126\" L x 0.063\" A (3.20 mm x 1.60 mm)"
C5 C6: "CAP ALUM 120UF 20% 25V RADIAL"
C8 C9 C10 C11 C12 C15 C16 C17 C18 C19 C20 C22 C23 C24 C27 C28 C29 C30 C31 C36 C37 C38 C39 C40 C41 C42 C43 C45 C46 C47 C48 C74: "CAP CER 10000PF 50V NP0 0805"
C13 C14 C25 C35 C44 C49 C50 C51 C52 C53 C55 C56 C57 C58 C61 C62 C63 C64 C65 C66 C69 C70 C71 C72 C91 C92: "CAP CER 0.1UF 25V 10% X7R 0805"
C21 C34 C73 C75 C76 C77 C78 C87 C88 C89 C90 C93 C94: "CAP CER 1UF 16V X7R 0805"
C33: "CAP CER 2.2UF 16V X7R 1206"
C54 C59 C60: "CAP CER 10UF 16V 10% X6S 0805"
C67 C68 C95 C96: "CAP CER 15PF 50V NP0 0805"
C79 C80 C81 C82 C83 C84 C85 C86: "CAP CER 100PF 50V NPO 0805"
D1: "DIODE SCHOTTKY 60V 3A SMC"
D2 D3: "DIODE SCHOTTKY 20V 500MA SMINI2"
D8: library part LED0
J1 J2: library part 788781-1, "Receptacle Assembly, 15 Position, Right Angle, 8.08mm Series, Amplimite, with Screwlocks"
J3: library part CON_DIM_100
J5 J7 J9 J11: library part CON_HeaderX2
J13: library part CON_HeaderX8
J15: "CONN HEADER 10POS DL UNSHRD SMD"
J19: "HOLDER COINCELL 2032 RETAINRCLIP"
L1 L2 L3: "FIXED IND 10UH 2A 65 MOHM SMD"
R1: "RES SMD 2.55K OHM 1% 1/4W 1206"
R2: "RES SMD 8.2K OHM 5% 1/4W 1206"
R3: "RES SMD 7.32K OHM 1% 1/4W 1206"
R4 R17 R28 R31 R42 R45 R56 R59 R68 R69 R81 R82 R94 R95 R107 R108: "RES SMD 10K OHM 1% 1/8W 0805"
R5 R6 R7 R11 R12 R13 R19 R20 R25 R26 R33 R34 R39 R40 R47 R48 R53 R54 R112 R114 R116 R118 R123 R124: "RES SMD 412K OHM 1% 1/8W 0805"
R8 R10 R15 R22 R24 R29 R36 R38 R43 R46 R50 R52 R57 R62 R66 R73 R75 R79 R86 R88 R92 R99 R101 R105: "RES SMD 4.7K OHM 1% 1/8W 0805"
R9 R16 R23 R30 R37 R44 R51 R58 R61 R67 R74 R80 R87 R93 R100 R106: "RES SMD 9.31K OHM 1% 1/8W 0805"
R14 R103 R111 R113 R115 R117 R119 R121: "RES SMD 510K OHM 1% 1/8W 0805"
R18 R64 R71 R77: "RES SMD 49.9K OHM 1% 1/8W 0805"
R21 R27 R35 R41 R49 R55 R120 R122: "RES SMD 15.8K OHM 1% 1/8W 0805"
R32 R65 R72 R78 R85 R91 R98 R104: "RES SMD 3.16K OHM 1% 1/8W 0805"
R60: "RES SMD 10K OHM 1% 1/4W 1206"
R63 R70 R76 R110: "RES SMD 1 OHM 1% 1/8W 0805"
R83 R84 R89 R90 R109: "RES SMD 100K OHM 5% 1/8W 0805"
R96 R97: "RES SMD 10K OHM 5% 1/8W 0805"
R102: "RES SMD 330 OHM 5% 1/8W 0805"
U1: "3A SIMPLE SWITCHER® Step-Down Voltage Regulator with Adjustable Soft-Start and Current Limit, 7-pin TO-263 Thin"
U2: "IC REG ISOLATED 3.3V 0.3A 12SOP"
U3 U4 U16 U17: "IC OPAMP GP 2.8MHZ RRO 8SOIC"
U5 U6: "IC OPAMP GP 2.8MHZ RRO 14SOIC"
U7 U8 U9 U10: "IC OPAMP INSTR 600KHZ 8SOIC"
U11: "IC MCU 32BIT 512KB FLASH 64LQFP"
U12 U13 U18 U19: library part IC_ISL21010_1V5_INTERSIL, "IC VREF SERIES 1.5V SOT23-3"
U14: library part IC_ISL21010_2V5_INTERSIL, "IC VREF SERIES 2.5V SOT23-3"
U15: library part IC_ISL21010_3V0_INTERSIL, "IC VREF SERIES 3V SOT23-3"
U20 U21 U22 U23: "DIODE ZENER ARRAY 5.6V SOT23"
Y1: "CRYSTAL 32.7680KHZ 12.5PF SMD"
Y2: "12 MHz ±30 ppm Cristales 20 pF 60 Ohm -10°C ~ 70°C Montaje en superficie HC49/US"

## Free pads (board coordinates)
  round 0 hole 3 unplated: 0(5,4.5) 0(5,79.5) 0(132,4.5) 0(132,79.5)
  rect 1.4x0.508 smd: 1(74.041,68.58) 1(95.313,68.58) 1(97.663,68.58) 1(118.935,68.58)
  round 0.889 smd: 2(35.45,60.493) 2(41.851,56.642) 34(49.928,60.874)

## Via types
v1: diameter 0.813, hole 0.406, Top Layer to Bottom Layer, tented both sides, 163 vias
v2: diameter 1.397, hole 0.813, Top Layer to Bottom Layer, 12 vias